# Altium PCB LVDS.PcbDoc
Units mil, origin at the board's own origin, x right, y up, seen from the top; angles counter-clockwise.
Board outline 5250 x 3530 mil, 2 copper layers (Top Layer, Bottom Layer); 43 components, 84 nets, 322 pads, 23 vias.
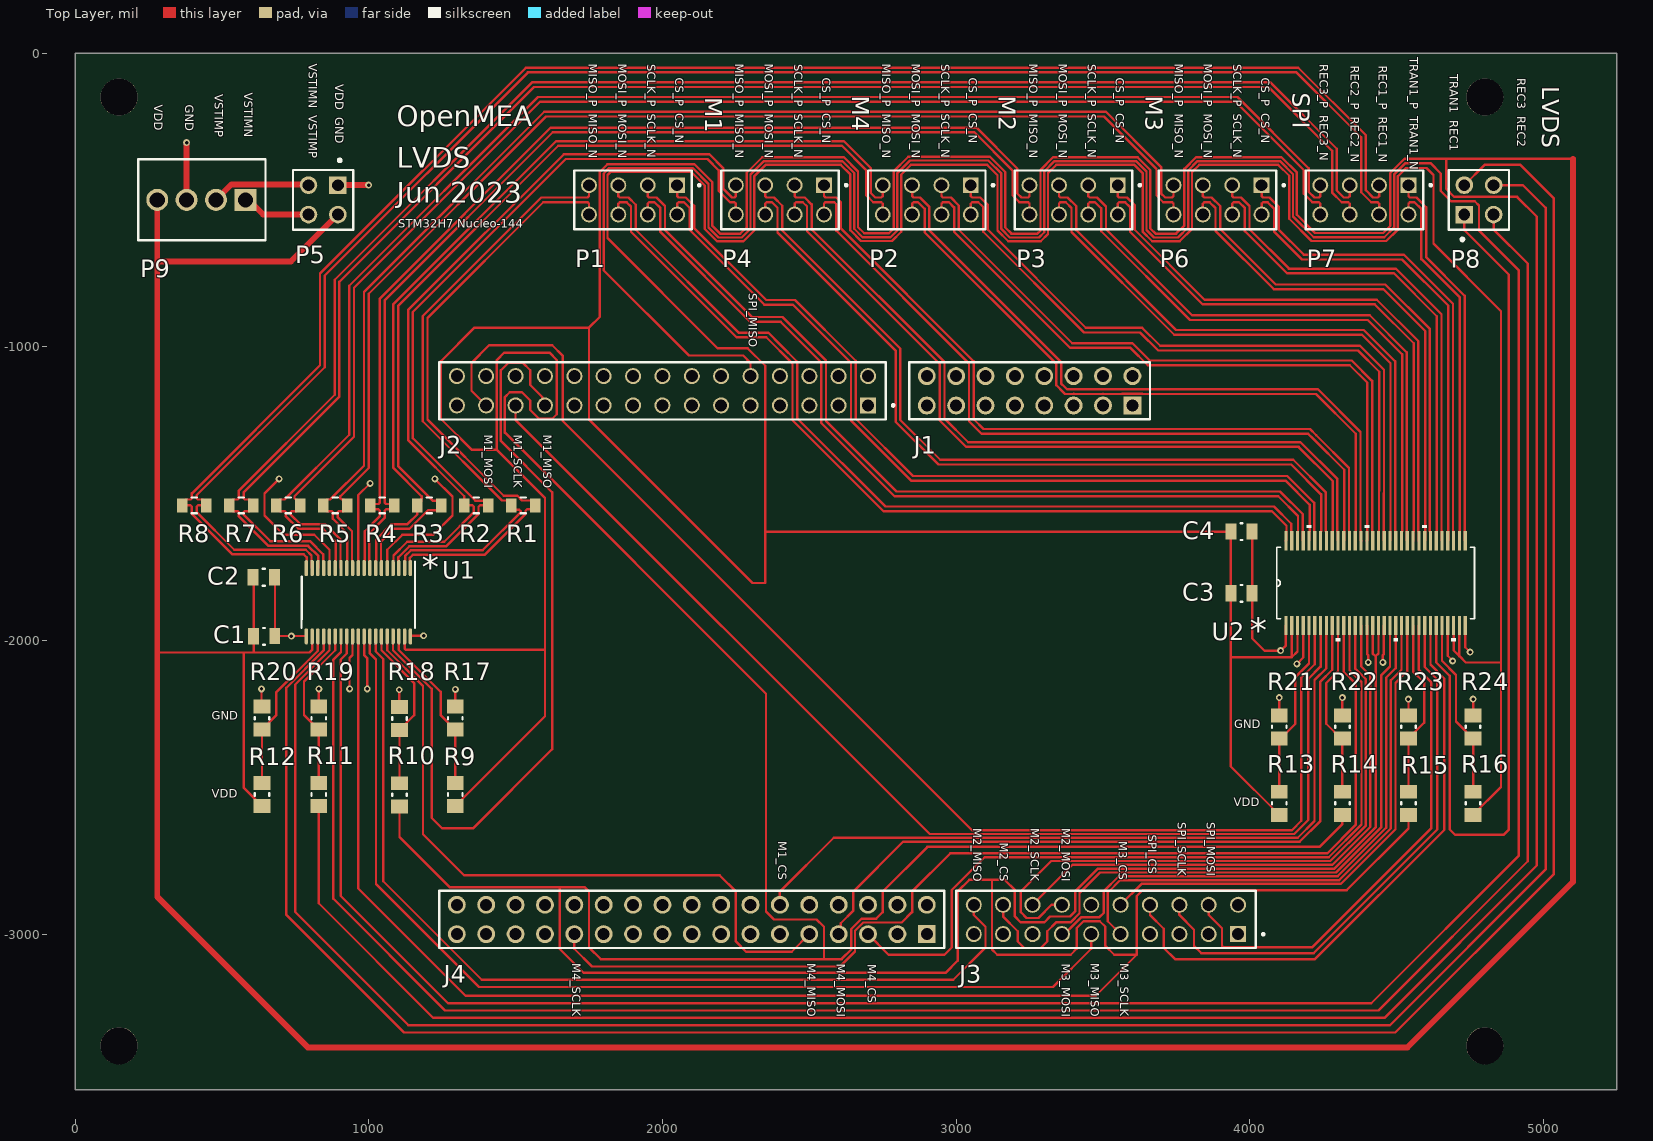
[diagram p0: Top Layer view]
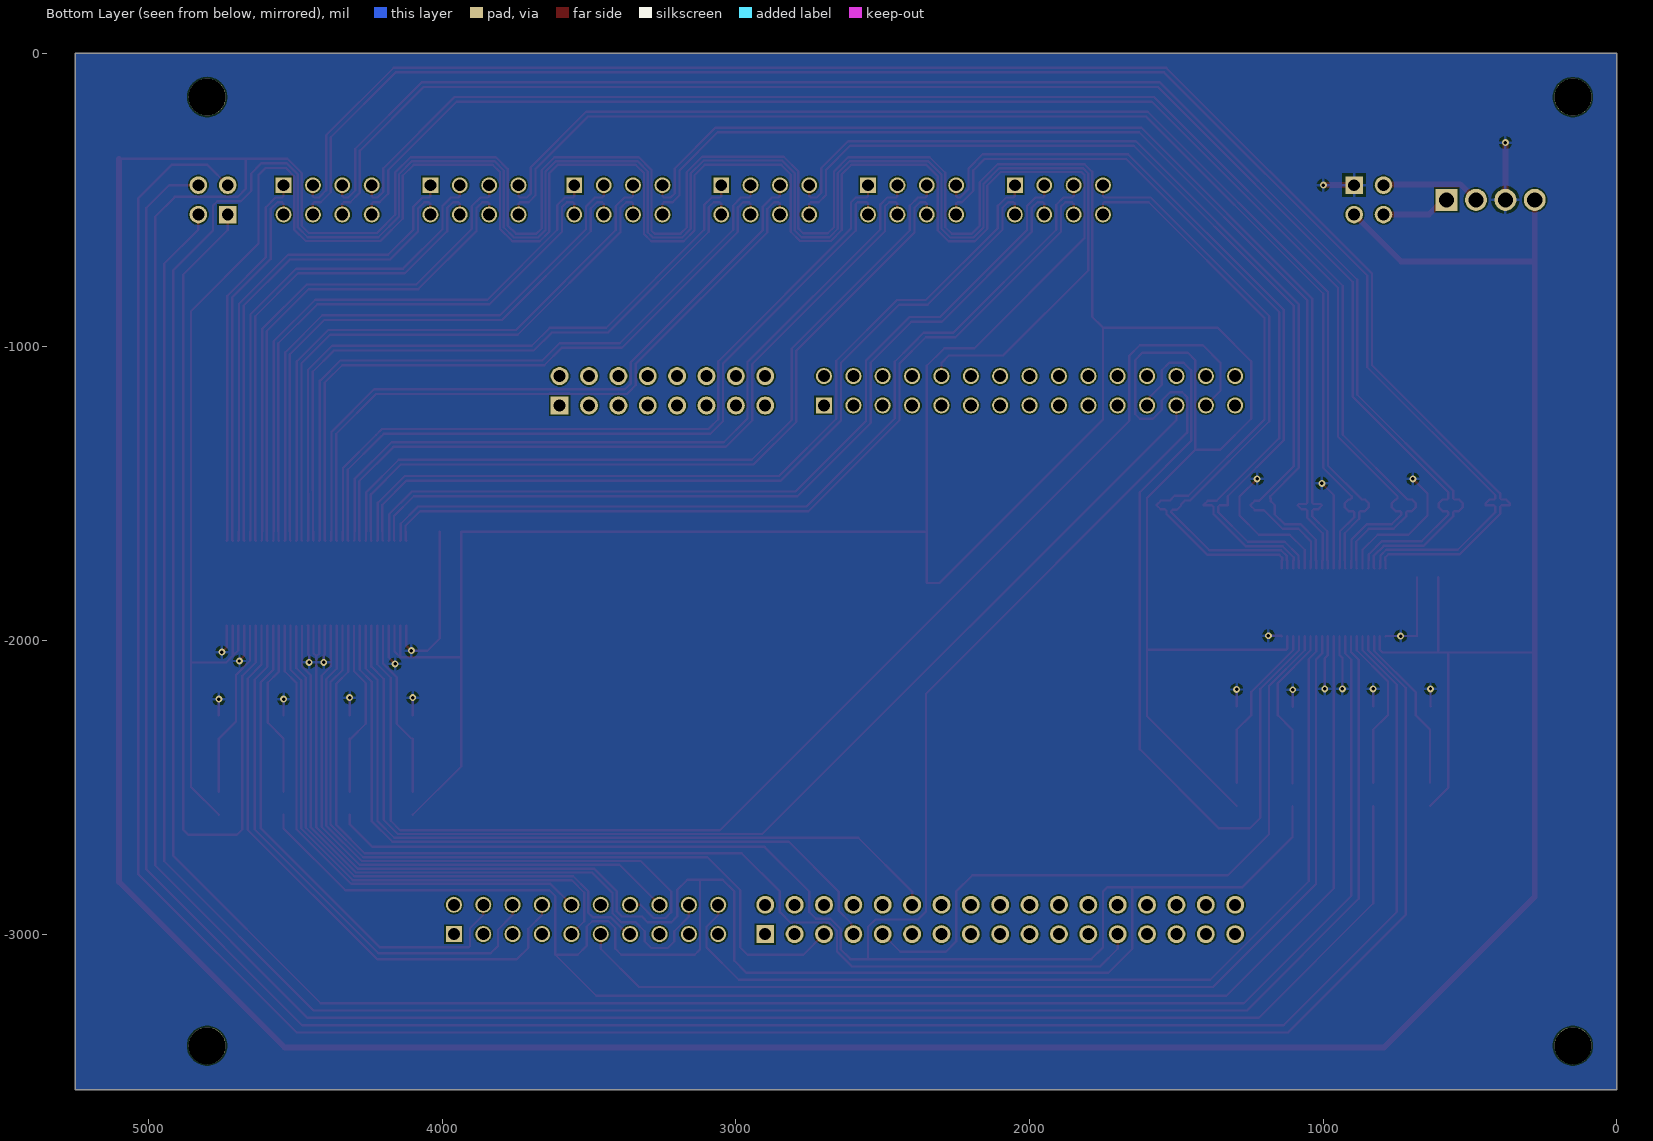
[diagram p1: Bottom Layer view, seen from below]
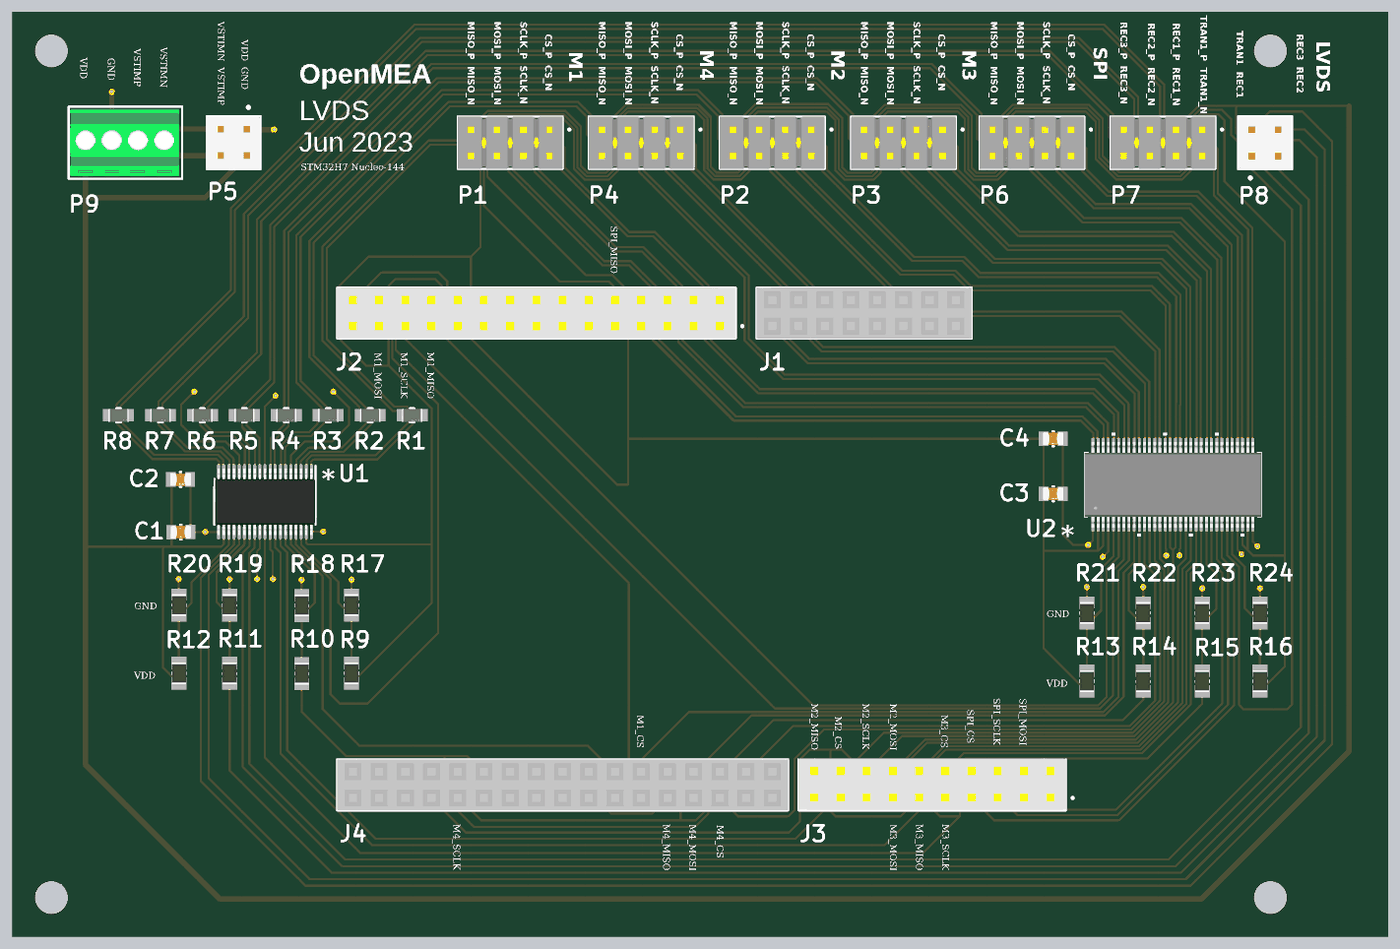
[diagram p2: 3D render of the assembled board from above, using the file's embedded part models]

## Layer stack, top to bottom
Top Solder: solder mask 0.4, Solder Resist, Dk 3.5
Top Layer: signal copper 1.4
Dielectric 1: dielectric 12.6, FR-4, Dk 4.8
Bottom Layer: signal copper 1.4
Bottom Solder: solder mask 0.4, Solder Resist, Dk 3.5

## Board outline
0,-3530 5250,-3530 5250,0 0,0

## Design rules (kind name [scope] priority, off if disabled: settings)
Clearance [All] p1: gap=5 ignorepadtopadclearanceinfootprint=FALSE
DiffPairsRouting [All] p1: maxlimit=8 minlimit=8 mostfreqgap=8 toplayer_minwidth=8 toplayer_maxwidth=8 toplayer_prefwidth=8 bottomlayer_minwidth=8 bottomlayer_maxwidth=8 bottomlayer_prefwidth=8 maxuncoupledlength=500
HoleSize [All] p1: absolutevalues=TRUE maxlimit=125.98 minlimit=11.81 maxpercent=80.000 minpercent=20.000
MinimumSolderMaskSliver [All] p1: minsoldermaskwidth=4
PolygonConnect [All] p1: connectstyle=Relief reliefconductorwidth=10 reliefentries=4 polygonreliefangle="90 Angle" airgapwidth=10
RoutingVias [All] p1: holewidth=11.81 width=23.62 viastyle="Through Hole" minholewidth=11.81 minwidth=23.62 maxholewidth=11.81 maxwidth=23.62
SilkToSilkClearance [All] p1: silktosilkclearance=4
SilkToSolderMaskClearance [IsPad] p1: minsilkscreentomaskgap=4 clearancetoexposedcopper=TRUE
SolderMaskExpansion [All] p1: expansion=1.5 istentingtop=FALSE
Width [All] p1: maxlimit=20 minlimit=8 preferedwidth=8 minimp=50.000000 maximp=50.000000 favimp=50.000000
25 further rules are at their usual default settings.

## Classes and differential pairs
differential pair SPI_SCLK: +SPI_SCLK_P -SPI_SCLK_N
differential pair SPI_MOSI: +SPI_MOSI_P -SPI_MOSI_N
differential pair SPI_MISO: +SPI_MISO_P -SPI_MISO_N
differential pair SPI_CS: +SPI_CS_P -SPI_CS_N
differential pair TRAN_1: +TRAN_1_P -TRAN_1_N
differential pair REC_3: +REC_3_P -REC_3_N
differential pair REC_2: +REC_2_P -REC_2_N
differential pair REC_1: +REC_1_P -REC_1_N
differential pair M4_SCLK: +M4_SCLK_P -M4_SCLK_N
differential pair M4_MOSI: +M4_MOSI_P -M4_MOSI_N
differential pair M4_MISO: +M4_MISO_P -M4_MISO_N
differential pair M4_CS: +M4_CS_P -M4_CS_N
differential pair M3_SCLK: +M3_SCLK_P -M3_SCLK_N
differential pair M3_MOSI: +M3_MOSI_P -M3_MOSI_N
differential pair M3_MISO: +M3_MISO_P -M3_MISO_N
differential pair M3_CS: +M3_CS_P -M3_CS_N
differential pair M2_SCLK: +M2_SCLK_P -M2_SCLK_N
differential pair M2_MOSI: +M2_MOSI_P -M2_MOSI_N
differential pair M2_MISO: +M2_MISO_P -M2_MISO_N
differential pair M2_CS: +M2_CS_P -M2_CS_N
differential pair M1_SCLK: +M1_SCLK_P -M1_SCLK_N
differential pair M1_MOSI: +M1_MOSI_P -M1_MOSI_N
differential pair M1_MISO: +M1_MISO_P -M1_MISO_N
differential pair M1_CS: +M1_CS_P -M1_CS_N

## Components (designator, comment, footprint, x,y, rotation, side; value= is the part's Value field where it differs from the comment)
C1 "CC0805MRX7R9BB104" FP-CC0805-0_85-MFG#1 643.67,-1986 r0 top value="100 nF"
C2 "CC0805KRX7R9BB102" FP-CC0805-0_85-MFG#2 642.67,-1785 r0 top value="1.0 nF"
C3 "CC0805MRX7R9BB104" FP-CC0805-0_85-MFG#2 3971.5,-1839.57 r0 top value="100 nF"
C4 "CC0805KRX7R9BB102" FP-CC0805-0_85-MFG#2 3971.5,-1629.57 r0 top value="1.0 nF"
J1 "SSW-108-01-G-D" SMTC-SSW-108-01-X-D 3600,-1200 r180 top
J2 "SSW-115-01-G-D" SAMTEC_SSW-115-01-G-D 2700,-1200 r0 top
J3 "SSW-110-01-G-D" SAMTEC_SSW-110-01-G-D 3960,-3000 r0 top
J4 "SSW-117-01-G-D" SMTC-SSW-117-01-X-D 2900,-3000 r180 top
P1 "TSW-104-07-F-D" SAMTEC_TSW-104-07-F-D 1900,-500 r180 top
P2 "TSW-104-07-F-D" SAMTEC_TSW-104-07-F-D 2900,-500 r180 top
P3 "TSW-104-07-F-D" SAMTEC_TSW-104-07-F-D 3400,-500 r180 top
P4 "TSW-104-07-F-D" SAMTEC_TSW-104-07-F-D 2400,-500 r180 top
P5 "HTSW-102-07-G-D" FP-HTSW-102-07-G-D-MFG 845,-500 r180 top
P6 "TSW-104-07-F-D" SAMTEC_TSW-104-07-F-D 3890,-500 r180 top
P7 "TSW-104-07-F-D" SAMTEC_TSW-104-07-F-D 4390,-500 r180 top
P8 "HTSW-102-07-G-D" FP-HTSW-102-07-G-D-MFG 4780,-500 r0 top
P9 "OSTVN04A150" OSTVN04A150 580,-500 r180 top
R1 "AC0805FR-07100RL" FP-AC0805-MFG 1526.01,-1540 r0 top value=100Ω
R2 "AC0805FR-07100RL" FP-AC0805-MFG 1366.01,-1540 r0 top value=100Ω
R3 "AC0805FR-07100RL" FP-AC0805-MFG 1206.01,-1540 r0 top value=100Ω
R4 "AC0805FR-07100RL" FP-AC0805-MFG 1046.01,-1540 r0 top value=100Ω
R5 "AC0805FR-07100RL" FP-AC0805-MFG 886.01,-1540 r0 top value=100Ω
R6 "AC0805FR-07100RL" FP-AC0805-MFG 726.01,-1540 r0 top value=100Ω
R7 "AC0805FR-07100RL" FP-AC0805-MFG 566.01,-1540 r0 top value=100Ω
R8 "AC0805FR-07100RL" FP-AC0805-MFG 406.01,-1540 r0 top value=100Ω
R9 "RC0805JR-070RL" RESC2013X60X35ML10T20 1294.67,-2524.37 r270 top
R10 "RC0805JR-070RL" RESC2013X60X35ML10T20 1104.67,-2525.63 r270 top
R11 "RC0805JR-070RL" RESC2013X60X35ML10T20 829.67,-2524.37 r270 top
R12 "RC0805JR-070RL" RESC2013X60X35ML10T20 636.6,-2524.38 r270 top
R13 "RC0805JR-070RL" RESC2013X60X35ML10T20 4100.04,-2554.37 r270 top
R14 "RC0805JR-070RL" RESC2013X60X35ML10T20 4315.04,-2554.37 r270 top
R15 "RC0805JR-070RL" RESC2013X60X35ML10T20 4540.04,-2554.37 r270 top
R16 "RC0805JR-070RL" RESC2013X60X35ML10T20 4760.04,-2554.37 r270 top
R17 "RC0805JR-070RL" RESC2013X60X35ML10T20 1294.67,-2264.37 r270 top
R18 "RC0805JR-070RL" RESC2013X60X35ML10T20 1104.67,-2265.63 r270 top
R19 "RC0805JR-070RL" RESC2013X60X35ML10T20 829.67,-2264.37 r270 top
R20 "RC0805JR-070RL" RESC2013X60X35ML10T20 636.6,-2264.38 r270 top
R21 "RC0805JR-070RL" RESC2013X60X35ML10T20 4100.04,-2294.37 r270 top
R22 "RC0805JR-070RL" RESC2013X60X35ML10T20 4315.04,-2294.37 r270 top
R23 "RC0805JR-070RL" RESC2013X60X35ML10T20 4540.04,-2294.37 r270 top
R24 "RC0805JR-070RL" RESC2013X60X35ML10T20 4760.04,-2294.37 r270 top
U1 "SN65LVDS388ADBT" DBT0038A_N 964.67,-1870 r270 top
U2 "SN75LVDS387DGG" DGG64 4427.91,-1804.57 r90 top

## Footprints (in the part's own frame and the unit in brackets; to place one, negate y for a bottom-side part, rotate by r counter-clockwise, add the part's x,y. Pads: shape width x height; smd on the part's side, far side on the other; paste and mask are expansions set on the pad)
DBT0038A_N [mm]
  oval 1.4x0.3 smd paste+0: 1(-2.95,4.5) 2(-2.95,4) 3(-2.95,3.5) 4(-2.95,3) 5(-2.95,2.5) 6(-2.95,2) 7(-2.95,1.5) 8(-2.95,1) 9(-2.95,0.5) 10(-2.95,0) 11(-2.95,-0.5) 12(-2.95,-1) 13(-2.95,-1.5) 14(-2.95,-2) 15(-2.95,-2.5) 16(-2.95,-3) 17(-2.95,-3.5) 18(-2.95,-4) 19(-2.95,-4.5) 20(2.95,-4.5) 21(2.95,-4) 22(2.95,-3.5) 23(2.95,-3) 24(2.95,-2.5) 25(2.95,-2) 26(2.95,-1.5) 27(2.95,-1) 28(2.95,-0.5) 29(2.95,0) 30(2.95,0.5) 31(2.95,1) 32(2.95,1.5) 33(2.95,2) 34(2.95,2.5) 35(2.95,3) 36(2.95,3.5) 37(2.95,4) 38(2.95,4.5)
  silkscreen extent -3.5,-4.9 1.5,4.9, body extent -3.2,-4.85 3.2,4.85, height 1.13
DGG64 [mil]
  rect 66x11 smd: 1(-144.5,305.12) 2(-144.5,285.43) 3(-144.5,265.75) 4(-144.5,246.06) 5(-144.5,226.38) 6(-144.5,206.69) 7(-144.5,187.01) 8(-144.5,167.32) 9(-144.5,147.64) 10(-144.5,127.95) 11(-144.5,108.27) 12(-144.5,88.58) 13(-144.5,68.9) 14(-144.5,49.21) 15(-144.5,29.53) 16(-144.5,9.84) 17(-144.5,-9.84) 18(-144.5,-29.53) 19(-144.5,-49.21) 20(-144.5,-68.9) 21(-144.5,-88.58) 22(-144.5,-108.27) 23(-144.5,-127.95) 24(-144.5,-147.64) 25(-144.5,-167.32) 26(-144.5,-187.01) 27(-144.5,-206.69) 28(-144.5,-226.38) 29(-144.5,-246.06) 30(-144.5,-265.75) 31(-144.5,-285.43) 32(-144.5,-305.12) 33(144.5,-305.12) 34(144.5,-285.43) 35(144.5,-265.75) 36(144.5,-246.06) 37(144.5,-226.38) 38(144.5,-206.69) 39(144.5,-187.01) 40(144.5,-167.32) 41(144.5,-147.64) 42(144.5,-127.95) 43(144.5,-108.27) 44(144.5,-88.58) 45(144.5,-68.9) 46(144.5,-49.21) 47(144.5,-29.53) 48(144.5,-9.84) 49(144.5,9.84) 50(144.5,29.53) 51(144.5,49.21) 52(144.5,68.9) 53(144.5,88.58) 54(144.5,108.27) 55(144.5,127.95) 56(144.5,147.64) 57(144.5,167.32) 58(144.5,187.01) 59(144.5,206.69) 60(144.5,226.38) 61(144.5,246.06) 62(144.5,265.75) 63(144.5,285.43) 64(144.5,305.12)
  silkscreen extent -198,-336 198,336, body extent -164,-336 164,337, height 47
FP-AC0805-MFG [mm]
  rect 0.9x1.2 smd paste+0 mask+0: 1(-1.05,0) 2(1.05,0)
  silkscreen extent -0.23,-0.67 0.23,0.67, body extent -1.6,-0.77 1.6,0.77, height 0.25
FP-CC0805-0_85-MFG#1 [mm]
  rect 0.95x1.4 smd paste+0 mask+0: 1(-0.925,0)
  rect 0.95x1.4 smd paste+0 mask+0.038: 2(0.925,0.025)
  silkscreen extent -0.08,-0.72 0.08,0.72, body extent -1.6,-1.05 1.6,1.05, height 0.25
FP-CC0805-0_85-MFG#2 [mm]
  rect 0.95x1.4 smd paste+0 mask+0: 1(-0.925,0) 2(0.925,0)
  silkscreen extent -0.08,-0.72 0.08,0.72, body extent -1.6,-1.05 1.6,1.05, height 0.25
FP-HTSW-102-07-G-D-MFG [mm]
  rect 1.52x1.52 hole 1.02 paste-1000 mask+0: 1(-1.27,-1.27)
  round 1.52 hole 1.02 paste-1000 mask+0: 2(-1.27,1.27) 3(1.27,-1.27) 4(1.27,1.27)
  silkscreen extent -2.6,-3.54 2.6,2.58, body extent -2.7,-2.68 2.7,2.68, height 0.25
OSTVN04A150 [mm] "4 Position Wire to Board Terminal Block Horizontal with Board 0.100\" (2.54mm) Through Hole"
  rect 1.9x1.9 hole 1.3: 1(0,0)
  round 1.9 hole 1.3: 2(2.54,0) 3(5.08,0) 4(7.62,0)
  silkscreen extent -1.75,-3.5 9.25,3.5, body extent -1.47,-3.25 9.09,3.25, height 8.65
RESC2013X60X35ML10T20 [mm] "Chip Resistor, 2-Leads, Body 2.1x1.35mm, IPC Low Density"
  rect 1.2x1.45 smd: 1(-1,0) 2(1,0)
  silkscreen extent -0.1,-0.63 0.1,0.63, body extent -1.05,-0.68 1.05,0.67, height 0.6
SAMTEC_SSW-110-01-G-D [mm]
  rect 1.39x1.39 hole 1.04: 1(0,0)
  round 1.39 hole 1.04: 2(0,2.54) 3(-2.54,0) 4(-2.54,2.54) 5(-5.08,0) 6(-5.08,2.54) 7(-7.62,0) 8(-7.62,2.54) 9(-10.16,0) 10(-10.16,2.54) 11(-12.7,0) 12(-12.7,2.54) 13(-15.24,0) 14(-15.24,2.54) 15(-17.78,0) 16(-17.78,2.54) 17(-20.32,0) 18(-20.32,2.54) 19(-22.86,0) 20(-22.86,2.54)
  silkscreen extent -24.39,-1.21 2.27,3.75, body extent -24.38,-1.14 1.52,3.81, height 8.51
SAMTEC_SSW-115-01-G-D [mm]
  rect 1.39x1.39 hole 1.04: 1(0,0)
  round 1.39 hole 1.04: 2(0,2.54) 3(-2.54,0) 4(-2.54,2.54) 5(-5.08,0) 6(-5.08,2.54) 7(-7.62,0) 8(-7.62,2.54) 9(-10.16,0) 10(-10.16,2.54) 11(-12.7,0) 12(-12.7,2.54) 13(-15.24,0) 14(-15.24,2.54) 15(-17.78,0) 16(-17.78,2.54) 17(-20.32,0) 18(-20.32,2.54) 19(-22.86,0) 20(-22.86,2.54) 21(-25.4,0) 22(-25.4,2.54) 23(-27.94,0) 24(-27.94,2.54) 25(-30.48,0) 26(-30.48,2.54) 27(-33.02,0) 28(-33.02,2.54) 29(-35.56,0) 30(-35.56,2.54)
  silkscreen extent -37.09,-1.21 2.27,3.75, body extent -37.08,-1.21 1.52,3.75, height 8.51
SAMTEC_TSW-104-07-F-D [mm]
  rect 1.37x1.37 hole 1.02: 1(-3.81,-1.27)
  round 1.37 hole 1.02: 2(-3.81,1.27) 3(-1.27,-1.27) 4(-1.27,1.27) 5(1.27,-1.27) 6(1.27,1.27) 7(3.81,-1.27) 8(3.81,1.27)
  silkscreen extent -5.83,-2.54 5.08,2.54, body extent -5.08,-2.54 5.08,2.54, height 8.38
SMTC-SSW-108-01-X-D [mm] "SQ Post Socket, 2x8 Pins, Vertical, 2.54mm Pitch, Female"
  rect 1.55x1.55 hole 1.04: 1(0,0)
  round 1.55 hole 1.04: 2(0,-2.54) 3(2.54,0) 4(2.54,-2.54) 5(5.08,0) 6(5.08,-2.54) 7(7.62,0) 8(7.62,-2.54) 9(10.16,0) 10(10.16,-2.54) 11(12.7,0) 12(12.7,-2.54) 13(15.24,0) 14(15.24,-2.54) 15(17.78,0) 16(17.78,-2.54)
  silkscreen extent -1.53,-3.74 19.31,1.2, body extent -1.52,-3.75 19.3,1.21, height 8.51
SMTC-SSW-117-01-X-D [mm] "SQ Post Socket, 2x17 Pins, Vertical, 2.54mm Pitch, Female"
  rect 1.55x1.55 hole 1.04: 1(0,0)
  round 1.55 hole 1.04: 2(0,-2.54) 3(2.54,0) 4(2.54,-2.54) 5(5.08,0) 6(5.08,-2.54) 7(7.62,0) 8(7.62,-2.54) 9(10.16,0) 10(10.16,-2.54) 11(12.7,0) 12(12.7,-2.54) 13(15.24,0) 14(15.24,-2.54) 15(17.78,0) 16(17.78,-2.54) 17(20.32,0) 18(20.32,-2.54) 19(22.86,0) 20(22.86,-2.54) 21(25.4,0) 22(25.4,-2.54) 23(27.94,0) 24(27.94,-2.54) 25(30.48,0) 26(30.48,-2.54) 27(33.02,0) 28(33.02,-2.54) 29(35.56,0) 30(35.56,-2.54) 31(38.1,0) 32(38.1,-2.54) 33(40.64,0) 34(40.64,-2.54)
  silkscreen extent -1.53,-3.74 42.17,1.2, body extent -1.52,-3.75 42.16,1.21, height 8.51

## Part data
C1 C3: library part CMP-03422-000633-1, "CAP CER 0.1UF 50V X7R 0805", Capacitance="100 nF", Manufacturer=Yageo, Package=CC0805-0.85, Temperature="-30°C to +85°C", Temperature Characteristic=X7R, Temperature Range High=+85°C, Temperature Range Low=-30°C, Tolerance=0.2, Voltage Rating="50 V", Automotive=No, Category=Cap, ComponentLink2Description=Datasheet, ComponentLink2URL=http://www.yageo.com/documents/recent/UPY-GPHC_Y5V_6.3V-to-50V_8.pdf, Device Class L1="Passive Components", Device Class L2=Capacitors, Device Class L3="Ceramic Capacitors", Digikey Description="CAP CER 0.1UF 50V X7R 0805", Footprint Url=http://www.yageo.com/exep/pages/download/literatures/UPY-C_GEN_24.pdf, Height=0.95mm, Ipc Land Pattern Name=CAPC200125X85, Lead Free=Yes, Manufacturer Part Number=CC0805MRX7R9BB104, Material=Ceramic, Mouser Description="Multilayer Ceramic Capacitors MLCC - SMD/SMT 100nF 50V X7R 20%", Octopart=https://octopart.com/cc0805mrx7r9bb104-yageo-30261726, RoHS=TRUE
C2 C4: library part CMP-1036-02978-3, "CAP CER 1000PF 50V X7R 0805", Capacitance="1.0 nF", Manufacturer=Yageo, Package=CC0805-0.85, Temperature="-30°C to +85°C", Temperature Characteristic=X7R, Temperature Range High=+85°C, Temperature Range Low=-30°C, Tolerance=0.1, Voltage Rating="50 V", Automotive=No, Category=Cap, ComponentLink2Description=Datasheet, ComponentLink2URL=http://www.yageo.com/documents/recent/UPY-GPHC_Y5V_6.3V-to-50V_8.pdf, Device Class L1="Passive Components", Device Class L2=Capacitors, Device Class L3="Ceramic Capacitors", Digikey Description="CAP CER 1000PF 50V X7R 0805", Footprint Url=http://www.yageo.com/exep/pages/download/literatures/UPY-C_GEN_24.pdf, Height=0.95mm, Ipc Land Pattern Name=CAPC200125X85, Lead Free=Yes, Manufacturer Part Number=CC0805KRX7R9BB102, Material=Ceramic, Mouser Description="Multilayer Ceramic Capacitors MLCC - SMD/SMT 1.0nF 50V X7R 10%", Octopart=https://octopart.com/cc0805krx7r9bb102-yageo-39467744, RoHS=TRUE
J1: library part CMP-1023-00374-1, "SQ Post Socket, Through-hole, Vertical, -55 to 125 degC, 2.54mm Pitch, 16-Pin, Female, RoHS", Manufacturer=Samtec, Temperature Range="-55 to 125 degC", ComponentLink1Description="Manufacturer URL", ComponentLink1URL=http://www.samtec.com, ComponentLink2Description=Datasheet, ComponentLink2URL=http://www.samtec.com/documents/webfiles/pdf/SSW_TH.PDF, ComponentLink3Description="Package Specification", ComponentLink3URL=http://www.samtec.com/documents/webfiles/cpdf/SSW-1XX-XX-XXX-X-XX-XXX-XX-MKT.pdf, DatasheetVersion=F-214, Mounting Technology=Through-hole, Orientation=Vertical, PackageDescription="Assembly, Socket Strip .016 X .031 Tail", PackageReference=SSW-108-01-X-D, PackageVersion="CA, 6/1987", PartNumber=SSW-108-01-G-D, Pitch="2.54 mm", RoHS=True
J2: "Board Connector, 30 Contact(s), 2 Row(s), Female, Straight, 0.1 inch Pitch, Solder Terminal, Locking, Socket", Flammability Rating="UL94 V-0", Manufacturer=Samtec, Manufacturer Series=SSW-1, Additional Feature="TIGER BUY CONTACT", Body Breadth=0.195inch, Body Length=1.52inch, Body/Shell Style=SOCKET, Category=Connectors, ComponentLink1Description=https://datasheet.ciiva.com:443/pdfs/VipMasterIC/IC/SAMI/SAMI-S-A0000099790/SAMI-S-A0001471334-1.pdf?src-supplier=IHS+Markit, ComponentLink1URL=https://datasheet.ciiva.com:443/pdfs/VipMasterIC/IC/SAMI/SAMI-S-A0000099790/SAMI-S-A0001471334-1.pdf?src-supplier=IHS+Markit, ComponentLink2Description=https://datasheet.ciiva.com/25617/0900766b8115c03d-25617554.pdf?src-supplier=Rs, ComponentLink2URL=https://datasheet.ciiva.com/25617/0900766b8115c03d-25617554.pdf?src-supplier=Rs, ComponentLink3Description=https://datasheet.ciiva.com/22677/82032-22677783.pdf?src-supplier=Element14, ComponentLink3URL=https://datasheet.ciiva.com/22677/82032-22677783.pdf?src-supplier=Element14, ComponentLink4Description=https://datasheet.ciiva.com/749/ssw-1xx-xx-xxx-x-xx-xxx-xx-mkt-749816.pdf?src-supplier=Digi-Key, ComponentLink4URL=https://datasheet.ciiva.com/749/ssw-1xx-xx-xxx-x-xx-xxx-xx-mkt-749816.pdf?src-supplier=Digi-Key, Connector Type="BOARD CONNECTOR", Contact Finish - Mating="GOLD (20) OVER NICKEL (50)", Contact Finish - Termination="Gold (Au) - with Nickel (Ni) barrier", Contact Gender=Female, Contact Material=Bronze, Contact Pattern=RECTANGULAR, Contact Style="SQ PIN-SKT", DIN Conformance=No, Filter Feature=No, IEC Conformance=No, Insulation Material=Polymer, JESD-609 Code=e4, Manufacturer Part Number=SSW-115-01-G-D, Mating Contact Pitch=0.1inch, Mating Contact Row Spacing=0.1inch, Mating Information="MULTIPLE MATING PARTS AVAILABLE", MIL Conformance=No, Mixed Contacts=No, Mounting Option 1=LOCKING, Mounting Style=STRAIGHT, Mounting Technology=Board, Number Of Connectors=1, Number Of Contacts=30, Number Of PCB Rows=2, Number of Rows Loaded=2, Option="General Purpose", PCB Contact Pattern=RECTANGULAR, PCB Contact Row Spacing=2.54mm, Plating Thickness=20uin, Pricing="1=5.2116, 10=4.447, 25=4.4359, 50=4.4257, 100=4.0379, 250=3.72, 500=3.5932 (USD)", Reach SVHC Compliant=Yes, Reference Standard=UL, Reliability=COMMERCIAL, RoHS=Yes, RoHS Compliant=Yes, Stock=6, Supplier="Arrow Electronics", Supplier Part Number=SSW-115-01-G-D, Terminal Pitch=2.54mm, Termination=Solder
J3: "Board Connector, 20 Contact(s), 2 Row(s), Female, Straight, 0.1 inch Pitch, Solder Terminal, Locking, Socket", Flammability Rating="UL94 V-0", Manufacturer=Samtec, Additional Feature="TIGER BUY CONTACT", Body Breadth=0.195inch, Body Length=1.02inch, Body/Shell Style=SOCKET, Category="Headers and Wire Housings", ComponentLink1Description=https://datasheet.ciiva.com:443/pdfs/VipMasterIC/IC/SAMI/SAMI-S-A0003534850/SAMI-S-A0003534850-1.pdf?src-supplier=IHS+Markit, ComponentLink1URL=https://datasheet.ciiva.com:443/pdfs/VipMasterIC/IC/SAMI/SAMI-S-A0003534850/SAMI-S-A0003534850-1.pdf?src-supplier=IHS+Markit, ComponentLink2Description=https://datasheet.ciiva.com/25617/0900766b8115c03d-25617948.pdf?src-supplier=Rs, ComponentLink2URL=https://datasheet.ciiva.com/25617/0900766b8115c03d-25617948.pdf?src-supplier=Rs, ComponentLink3Description=https://datasheet.ciiva.com/22677/82032-22677781.pdf?src-supplier=Element14, ComponentLink3URL=https://datasheet.ciiva.com/22677/82032-22677781.pdf?src-supplier=Element14, ComponentLink4Description=https://datasheet.ciiva.com/749/ssw-1xx-xx-xxx-x-xx-xxx-xx-mkt-749821.pdf?src-supplier=Digi-Key, ComponentLink4URL=https://datasheet.ciiva.com/749/ssw-1xx-xx-xxx-x-xx-xxx-xx-mkt-749821.pdf?src-supplier=Digi-Key, Connector Type="BOARD CONNECTOR", Contact Finish - Mating="GOLD (20) OVER NICKEL (50)", Contact Finish - Termination="Gold (Au) - with Nickel (Ni) barrier", Contact Gender=Female, Contact Material=Bronze, Contact Pattern=RECTANGULAR, Contact Style="SQ PIN-SKT", DIN Conformance=No, Filter Feature=No, IEC Conformance=No, Insulation Material=Polymer, JESD-609 Code=e4, Manufacturer Part Number=SSW-110-01-G-D, Mating Contact Pitch=0.1inch, Mating Contact Row Spacing=0.1inch, Mating Information="MULTIPLE MATING PARTS AVAILABLE", MIL Conformance=No, Mixed Contacts=No, Mounting Option 1=LOCKING, Mounting Style=STRAIGHT, Mounting Technology=Board, Number Of Connectors=1, Number Of Contacts=20, Number Of PCB Rows=2, Number of Rows Loaded=2, Option="General Purpose", PCB Contact Pattern=RECTANGULAR, PCB Contact Row Spacing=2.54mm, Plating Thickness=20uin, Pricing="1=3.512, 50=3.36, 100=2.897, 500=2.758, 1000=2.425, 2000=2.222, 5000=2.0831, 10000=1.8283, 25000=1.7803, 50000=1.7432 (USD)", Reach SVHC Compliant=Yes, Reference Standard=UL, Reliability=COMMERCIAL, RoHS=Yes, RoHS Compliant=Yes, Stock=34851, Supplier="Arrow Electronics", Supplier Part Number=SSW-110-01-G-D, Terminal Pitch=2.54mm, Termination=Solder
J4: library part CMP-1023-00452-1, "SQ Post Socket, Through-hole, Vertical, -55 to 125 degC, 2.54 mm Pitch, 34-Pin, Female, RoHS", Manufacturer=Samtec, Temperature Range="-55 to 125 degC", ComponentLink1Description="Manufacturer URL", ComponentLink1URL=http://www.samtec.com, ComponentLink2Description=Datasheet, ComponentLink2URL=http://www.samtec.com/documents/webfiles/pdf/SSW_TH.PDF, ComponentLink3Description="Package Specification", ComponentLink3URL=http://www.samtec.com/documents/webfiles/cpdf/SSW-1XX-XX-XXX-X-XX-XXX-XX-MKT.pdf, DatasheetVersion=F-214, Mounting Technology=Through-hole, Orientation=Vertical, PackageDescription="Assembly, Socket Strip .016 X .031 Tail", PackageReference=SSW-117-01-X-D, PackageVersion="CA, 6/1987", PartNumber=SSW-117-01-G-D, Pitch="2.54 mm", RoHS=True
P1 P2 P3 P4 P6 P7: "Board Connector, 8 Contact(s), 2 Row(s), Male, Straight, 0.1 inch Pitch, Solder Terminal, Black Insulator", Flammability Rating="UL94 V-0", Insulation Color=Black, Manufacturer=Samtec, Additional Feature=E.L.P., Body Breadth=0.1inch, Body Depth=0.1inch, Body/Shell Style=RECEPTACLE, Category=Connectors, ComponentLink1Description=https://datasheet.ciiva.com:443/pdfs/VipMasterIC/IC/SAMI/SAMI-S-A0003531373/SAMI-S-A0003531373-1.pdf?src-supplier=IHS+Markit, ComponentLink1URL=https://datasheet.ciiva.com:443/pdfs/VipMasterIC/IC/SAMI/SAMI-S-A0003531373/SAMI-S-A0003531373-1.pdf?src-supplier=IHS+Markit, ComponentLink2Description=https://datasheet.ciiva.com/739/tsw-xxx-xx-xxx-x-xx-xxx-mkt-739906.pdf?src-supplier=Digi-Key, ComponentLink2URL=https://datasheet.ciiva.com/739/tsw-xxx-xx-xxx-x-xx-xxx-mkt-739906.pdf?src-supplier=Digi-Key, Connector Type="BOARD CONNECTOR", Contact Finish - Mating="GOLD FLASH OVER NICKEL (50)", Contact Finish - Termination="Matte Tin (Sn) - with Nickel (Ni) barrier", Contact Gender=Male, Contact Material=Bronze, Contact Pattern=RECTANGULAR, Contact Style="SQ PIN-SKT", DIN Conformance=No, Filter Feature=No, IEC Conformance=No, Insulation Material=Glass, JESD-609 Code=e3, Manufacturer Part Number=TSW-104-07-F-D, Mating Contact Pitch=0.1inch, Mating Contact Row Spacing=0.1inch, Mating Information="MULTIPLE MATING PARTS AVAILABLE", MIL Conformance=No, Mixed Contacts=No, Mounting Style=STRAIGHT, Mounting Technology=Board, Number Of Connectors=1, Number Of Contacts=8, Number Of PCB Rows=2, Number of Rows Loaded=2, Option="General Purpose", PCB Contact Pattern=RECTANGULAR, PCB Contact Row Spacing=5.08mm, Pricing="1=0.9123, 50=0.706, 100=0.5756 (USD)", Reach SVHC Compliant=Yes, Reference Standard=UL, Reliability=COMMERCIAL, RoHS=Yes, RoHS Compliant=Yes, Stock=1, Supplier="Arrow Electronics", Supplier Part Number=TSW-104-07-F-D, Terminal Length=0.1inch, Terminal Pitch=2.54mm, Termination=Solder
P5 P8: library part CMP-02766-000010-1, "CONN HEADER VERT 4POS 2.54MM", Current Rating=6.3A, Manufacturer=Samtec, Temperature="-55°C to +125°C", Temperature Range High=+125°C, Temperature Range Low=-55°C, Voltage Rating=550V, Automotive=No, Category=Conn, ComponentLink2Description=Datasheet, ComponentLink2URL=http://suddendocs.samtec.com/catalog_english/htsw_th.pdf, Conn Gender=Male, Conn Orientation=Straight, Contact Material=Gold,Nickel, Device Class L1=Connectors, Device Class L2="Headers and Wire Housings", Device Class L3=unset, Digikey Description="CONN HEADER VERT 4POS 2.54MM", Height=8.71mm, Lead Free=Yes, Manufacturer Part Number=HTSW-102-07-G-D, Mouser Description="Conn Unshrouded Header HDR 4 POS 2.54mm Solder ST Thru-Hole Bag", Number Of Contacts=4, Number Of Rows=2, Octopart=https://octopart.com/htsw-102-07-g-d-samtec-10531767, Package=HTSW-102-07-G-D, Pitch=2.54mm, RoHS=TRUE
P9: "Barrier Strip Terminal Block, 6A, 1 Row(s), 1 Deck(s)", Current Rating=6A, Manufacturer="On-Shore Technology", Supplier Part Number=ED10563-ND, Voltage Rating=125V, Additional Feature="STANDARD: UL 94V-0, THERMOPLASTIC", Category="Terminal Blocks", ComponentLink1Description=https://datasheet.ciiva.com:443/pdfs/VipMasterIC/IC/ONST/ONSTS00240/ONSTS00114-1.pdf?src-supplier=IHS+Markit, ComponentLink1URL=https://datasheet.ciiva.com:443/pdfs/VipMasterIC/IC/ONST/ONSTS00240/ONSTS00114-1.pdf?src-supplier=IHS+Markit, ComponentLink2Description=https://datasheet.ciiva.com/823/ostvnxxa150-823966.pdf?src-supplier=Digi-Key, ComponentLink2URL=https://datasheet.ciiva.com/823/ostvnxxa150-823966.pdf?src-supplier=Digi-Key, Fastening Method=SCREW, Manufacturer Part Number=OSTVN04A150, Mounting Technology=Board, Number of Decks=1, Number Of Rows=1, Number of Ways=4, Pricing="1=1.39, 10=0.979, 25=0.9128, 50=0.8286, 100=0.8249, 250=0.6966, 500=0.65994, 1000=0.58661, 5000=0.47662 (USD)", Reach SVHC Compliant=Yes, RoHS=Yes, RoHS Compliant=Yes, Safety Approval=UL,CUL, Stock=3152, Supplier=Digi-Key, Terminal and Terminal Block Type="BARRIER STRIP TERMINAL BLOCK", Wire/Cable Gauge=20AWG
R1 R2 R3 R4 R5 R6 R7 R8: library part CMP-03412-037503-1, "Res Thick Film 0805 100 Ohm 1% 1/8W ±100ppm/°C Molded SMD Paper T/R", Manufacturer=Yageo, Package=AC0805, Power Rating=1/8W, Resistance=100Ω, Temperature="-55°C to +155°C", Temperature Range High=+155°C, Temperature Range Low=-55°C, Tolerance=0.01, Voltage Rating=150V, Automotive=Yes, Automotive Grade="Grade 0", Category=Res, ComponentLink2Description=Datasheet, ComponentLink2URL=http://www.yageo.com/documents/recent/PYu-AC_51_RoHS_L_6.pdf, Composition="Thick Film", Device Class L1="Passive Components", Device Class L2=Resistors, Device Class L3="Chip SMD Resistors", Digikey Description="Res Thick Film 0805 100 Ohm 1% 1/8W ±100ppm/°C Molded SMD Paper T/R", Footprint Url=http://www.yageo.com/exep/pages/download/literatures/PYu-R_Mount_10.pdf, Height=0.6mm, Ipc Land Pattern Name=RESC200125X50, Lead Free=Yes, Manufacturer Part Number=AC0805FR-07100RL, Mouser Description="Thick Film Resistors 1/8W 100ohm 1% AEC-Q200", Octopart=https://octopart.com/ac0805fr-07100rl-yageo-24517276, RoHS=TRUE, Series=AC
R9 R10 R11 R12 R13 R14 R15 R16 R17 R18 R19 R20 R21 R22 R23 R24: library part CMP-2100-03673-1, "Chip Resistor, 0 Ohm, Jumper, +/- 5%, 0.125 W, -55 to 155 degC, 0805 (2012 Metric), RoHS, Tape and Reel", Case Code (Imperial)=0805, Case Code (Metric)=2012, Manufacturer=Yageo, Max Operating Temperature=155degC, Min Operating Temperature=-55degC, Package Description="2-Pin Surface Mounted Device, Body 2 x 1.25 mm", Power Rating=125mW, Resistance=0mOhm, Temperature Coefficient=200ppm/degreesC, Tolerance=5%, Voltage Rating=150V, Case/Package=0805, Composition=ThickFilm, Contact Plating=Tin, Datasheet URL=http://www.yageo.com/NewPortal/yageodocoutput?fileName=/pdf/R-Chip/PYu-RC_Group_51_RoHS_L_5.pdf, Datasheet Version="Rev. 5, 10/2016", Depth=1.25mm, Height=0.5mm, Lead Free=LeadFree, Length=2mm, Manufacturer URL=http://www.yageo.com/, Military Standard=Not, Number of Pins=2, Package Reference=0805, Packaging=TapeandReel, Radiation Hardening=No, REACH SVHC=Unknown, RoHSCompliant=true, Termination=SMD/SMT, Voltage Rating (DC)=150V, Width=1.25mm
U1: "Line Receiver, 8 Func, 8 Rcvr, CMOS, PDSO38", Case/Package=TSSOP, Manufacturer="Texas Instruments", Max Operating Temperature=85°C, Max Supply Current=40mA, Max Supply Voltage=3.6V, Min Operating Temperature=-40°C, Min Supply Voltage=3V, Nominal Supply Voltage=3.3V, Output Low Current-Max=8mA, Package Body Material=Plastic, Package Shape=Rectangular, Package Style="SMALL OUTLINE, THIN PROFILE, SHRINK PITCHMeter", Peak Reflow Temperature (Cel)=260°C, Supplier Part Number=296-6926-5-ND, Temperature Grade=INDUSTRIAL, Category="Interface ICs", Channels=8, ComponentLink1Description=https://www.ti.com:443/lit/ds/symlink/sn65lvds386.pdf?src-supplier=IHS+Markit, ComponentLink1URL=https://www.ti.com:443/lit/ds/symlink/sn65lvds386.pdf?src-supplier=IHS+Markit, ComponentLink2Description=https://datasheet.ciiva.com/1708/sn65lvds386-1708540.pdf?src-supplier=Digi-Key, ComponentLink2URL=https://datasheet.ciiva.com/1708/sn65lvds386-1708540.pdf?src-supplier=Digi-Key, ComponentLink3Description=https://datasheet.ciiva.com/3151/sn65lvds390-3151563.pdf?src-supplier=Avnet, ComponentLink3URL=https://datasheet.ciiva.com/3151/sn65lvds390-3151563.pdf?src-supplier=Avnet, ComponentLink4Description=https://datasheet.ciiva.com/15151/getdatasheetpartid-43449-15151030.pdf?src-supplier=Verical, ComponentLink4URL=https://datasheet.ciiva.com/15151/getdatasheetpartid-43449-15151030.pdf?src-supplier=Verical, ComponentLink5Description=https://datasheet.ciiva.com/1498/1831133-1498284.pdf?src-supplier=Element14, ComponentLink5URL=https://datasheet.ciiva.com/1498/1831133-1498284.pdf?src-supplier=Element14, Differential Output=No, Height - Seated (Max)=1.2mm, Input Characteristics=DIFFERENTIAL, Interface IC Type="LINE RECEIVER", JESD-609 Code=e4, Length=9.7mm, Manufacturer Part Number=SN65LVDS388ADBT, Moisture Sensitivity Level=2, Pins=38, Power Supplies=3.3V, Pricing="1=6, 10=5.393, 25=5.0984, 100=4.4187, 250=4.19208, 500=3.76156, 1000=3.1724, 2500=3.01378 (USD)", Qualification Status="Not Qualified", Reach SVHC Compliant=Yes, Receive Delay-Max=4ns, Receiver Number of Bits=8, RoHS=Yes, RoHS Compliant=Yes, Stock=22, Supplier=Digi-Key, Surface Mount=Yes, Technology=CMOS, Terminal Finish=Nickel, Terminal Form="Gull Wing", Terminal Pitch=0.5mm, Terminal Position=DUAL, Width=4.4mm
U2: "Line Driver, 16 Func, 16 Driver, CMOS, PDSO64", Case/Package=TSSOP, High Level Input Current-Max=20uA, Manufacturer="Texas Instruments", Max Operating Temperature=70°C, Max Supply Voltage=3.6V, Min Operating Temperature=0°C, Min Supply Voltage=3V, Nominal Supply Voltage=3.3V, Package Body Material=Plastic, Package Shape=Rectangular, Package Style="SMALL OUTLINE, THIN PROFILE, SHRINK PITCHMeter", Peak Reflow Temperature (Cel)=260°C, Supplier Part Number=296-2367-5-ND, Temperature Grade=COMMERCIAL, Category="Interface ICs", Channels=16, ComponentLink1Description=https://www.ti.com:443/lit/ds/symlink/sn65lvds387.pdf?src-supplier=IHS+Markit, ComponentLink1URL=https://www.ti.com:443/lit/ds/symlink/sn65lvds387.pdf?src-supplier=IHS+Markit, ComponentLink2Description=https://datasheet.ciiva.com/3151/sn75lvds389-3151600.pdf?src-supplier=Avnet, ComponentLink2URL=https://datasheet.ciiva.com/3151/sn75lvds389-3151600.pdf?src-supplier=Avnet, ComponentLink3Description=https://datasheet.ciiva.com/1709/sn65lvds387-1709399.pdf?src-supplier=Digi-Key, ComponentLink3URL=https://datasheet.ciiva.com/1709/sn65lvds387-1709399.pdf?src-supplier=Digi-Key, ComponentLink4Description=https://datasheet.ciiva.com/1498/668195-1498817.pdf?src-supplier=Element14, ComponentLink4URL=https://datasheet.ciiva.com/1498/668195-1498817.pdf?src-supplier=Element14, Differential Output=Yes, Driver Number of Bits=16, Height - Seated (Max)=1.2mm, Input Characteristics=STANDARD, Interface IC Type="LINE DRIVER", JESD-609 Code=e4, Length=17mm, Manufacturer Part Number=SN75LVDS387DGG, Moisture Sensitivity Level=2, Out Swing-Min=247mV, Output Characteristics=3-STATE, Pins=64, Power Supplies=3.3V, Pricing="1=12.08, 10=10.913, 25=10.4056, 100=9.035, 250=8.62892, 500=7.86756, 1000=6.85238 (USD)", Qualification Status="Not Qualified", Reach SVHC Compliant=Yes, Receive Delay-Max=0ns, RoHS=Yes, RoHS Compliant=Yes, Stock=664, Supplier=Digi-Key, Surface Mount=Yes, Technology=CMOS, Terminal Finish=Nickel, Terminal Form="Gull Wing", Terminal Pitch=0.5mm, Terminal Position=DUAL, Transmit Delay-Max=2.9ns, Width=6.1mm

## Free pads (board coordinates)
  round 125.98 hole 125.98 unplated: 1(150,-3380) 1(150,-150) 1(4800,-3380) 1(4800,-150)

## Via types
v1: diameter 23.62, hole 11.81, Top Layer to Bottom Layer, 23 vias
